# Altium PCB BMS.PcbDoc (part 1 of 3)
Units mm, origin at the board's own origin, x right, y up, seen from the top; angles counter-clockwise.
Board outline 90.28 x 95.99 mm, 8 copper layers (Top Layer (SIG), Layer 1 (GND, Layer 2 (SIG), Layer 3 (PWR), Layer 4 (PWR), Layer 5 (SIG), Layer 6 (GND), Bottom Layer (SIG)), stack 1.028 mm thick; 233 components, 137 nets, 697 pads, 625 vias.
Unrouted connection lines stored in the file: 2.
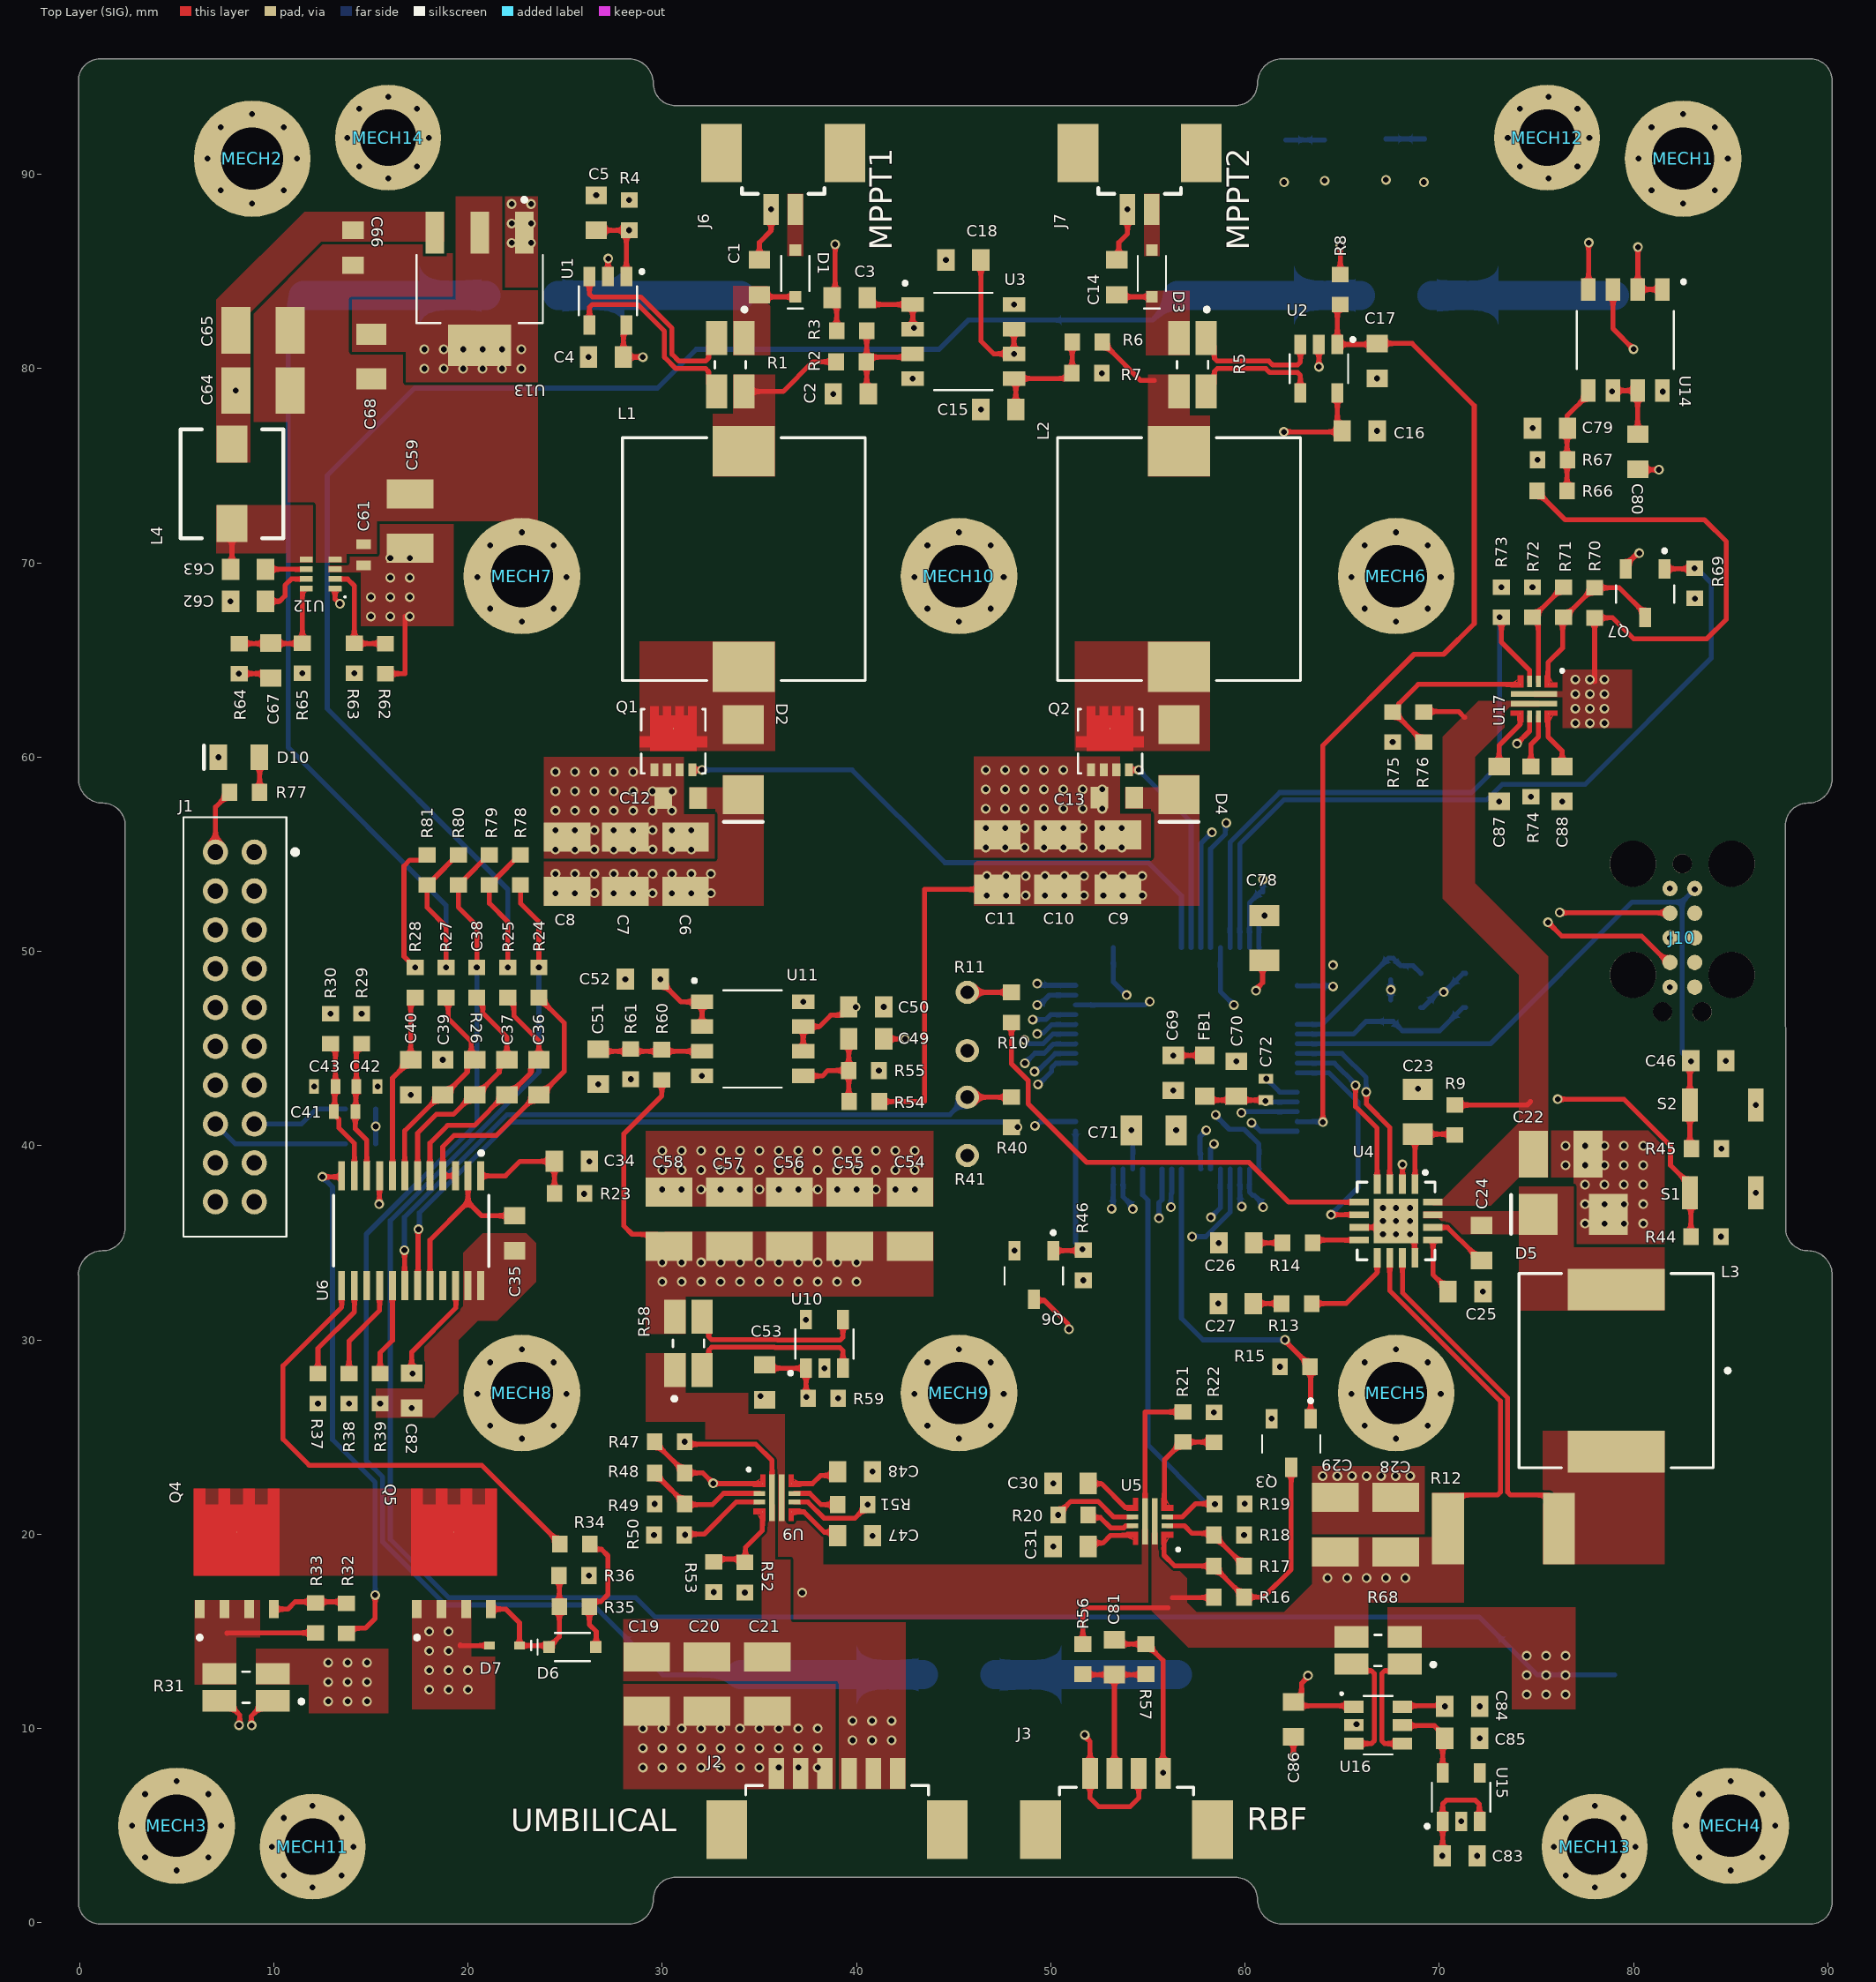
[diagram p0: Top Layer (SIG) view]
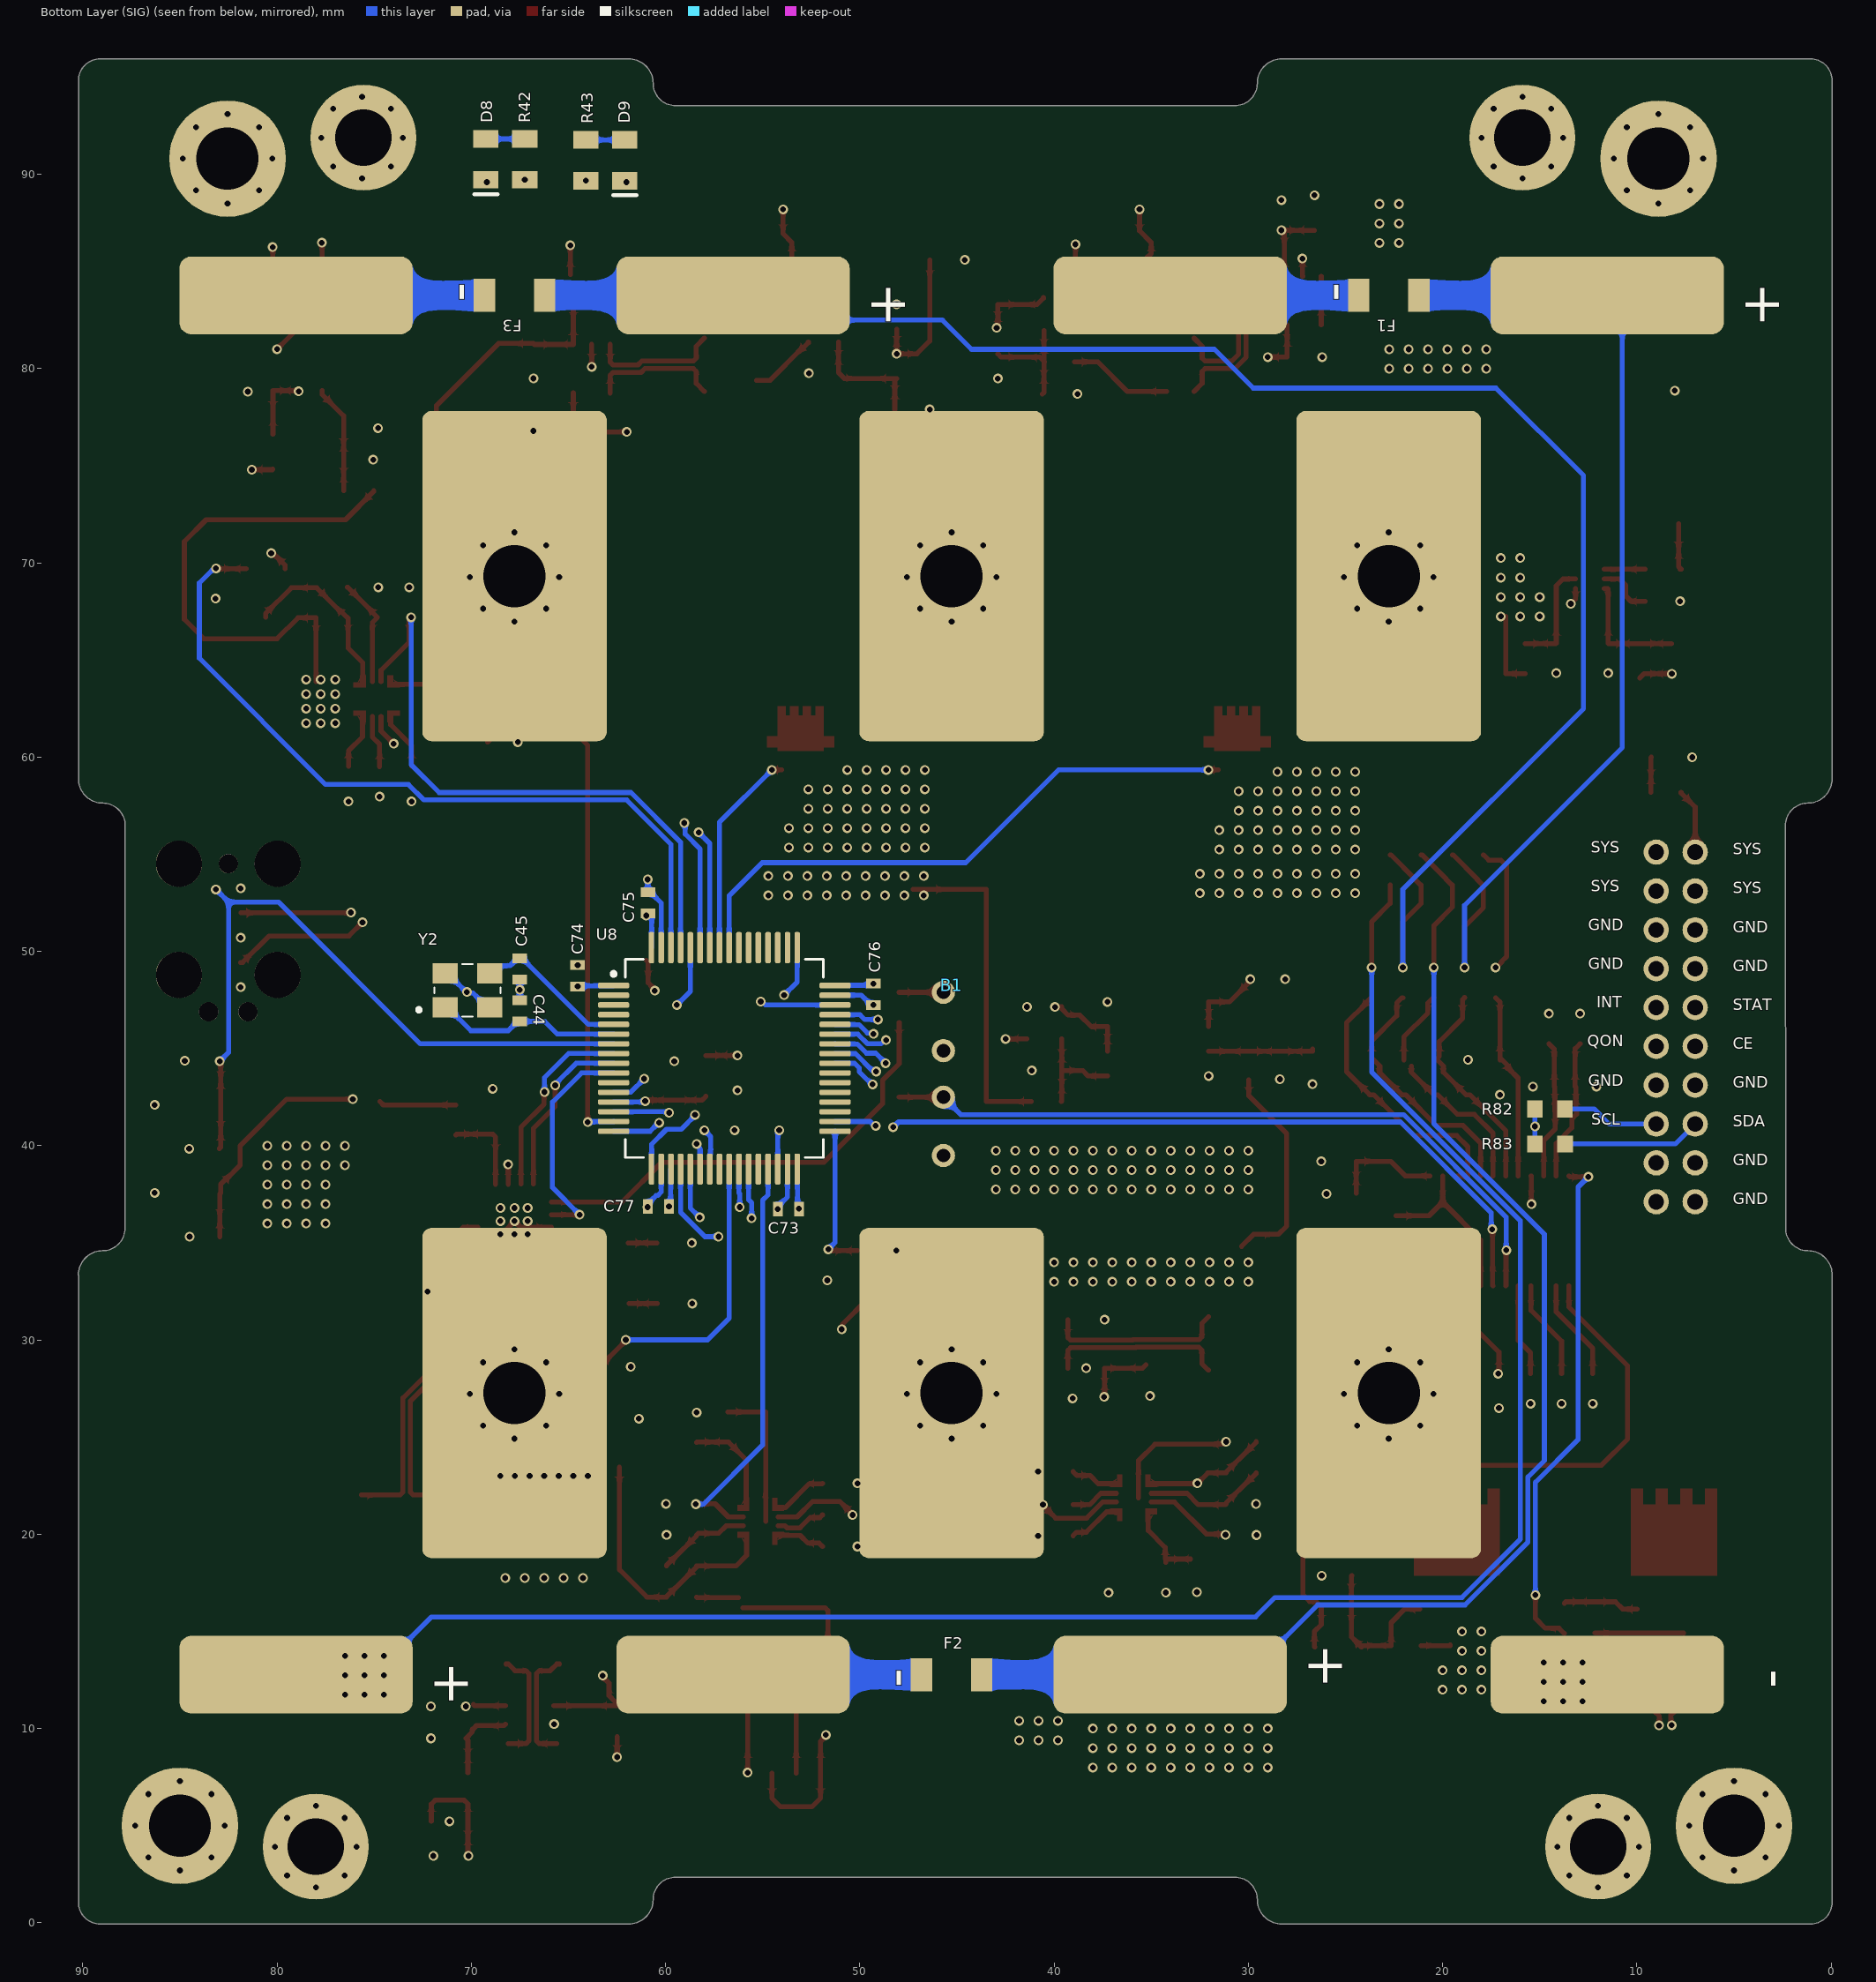
[diagram p1: Bottom Layer (SIG) view, seen from below]
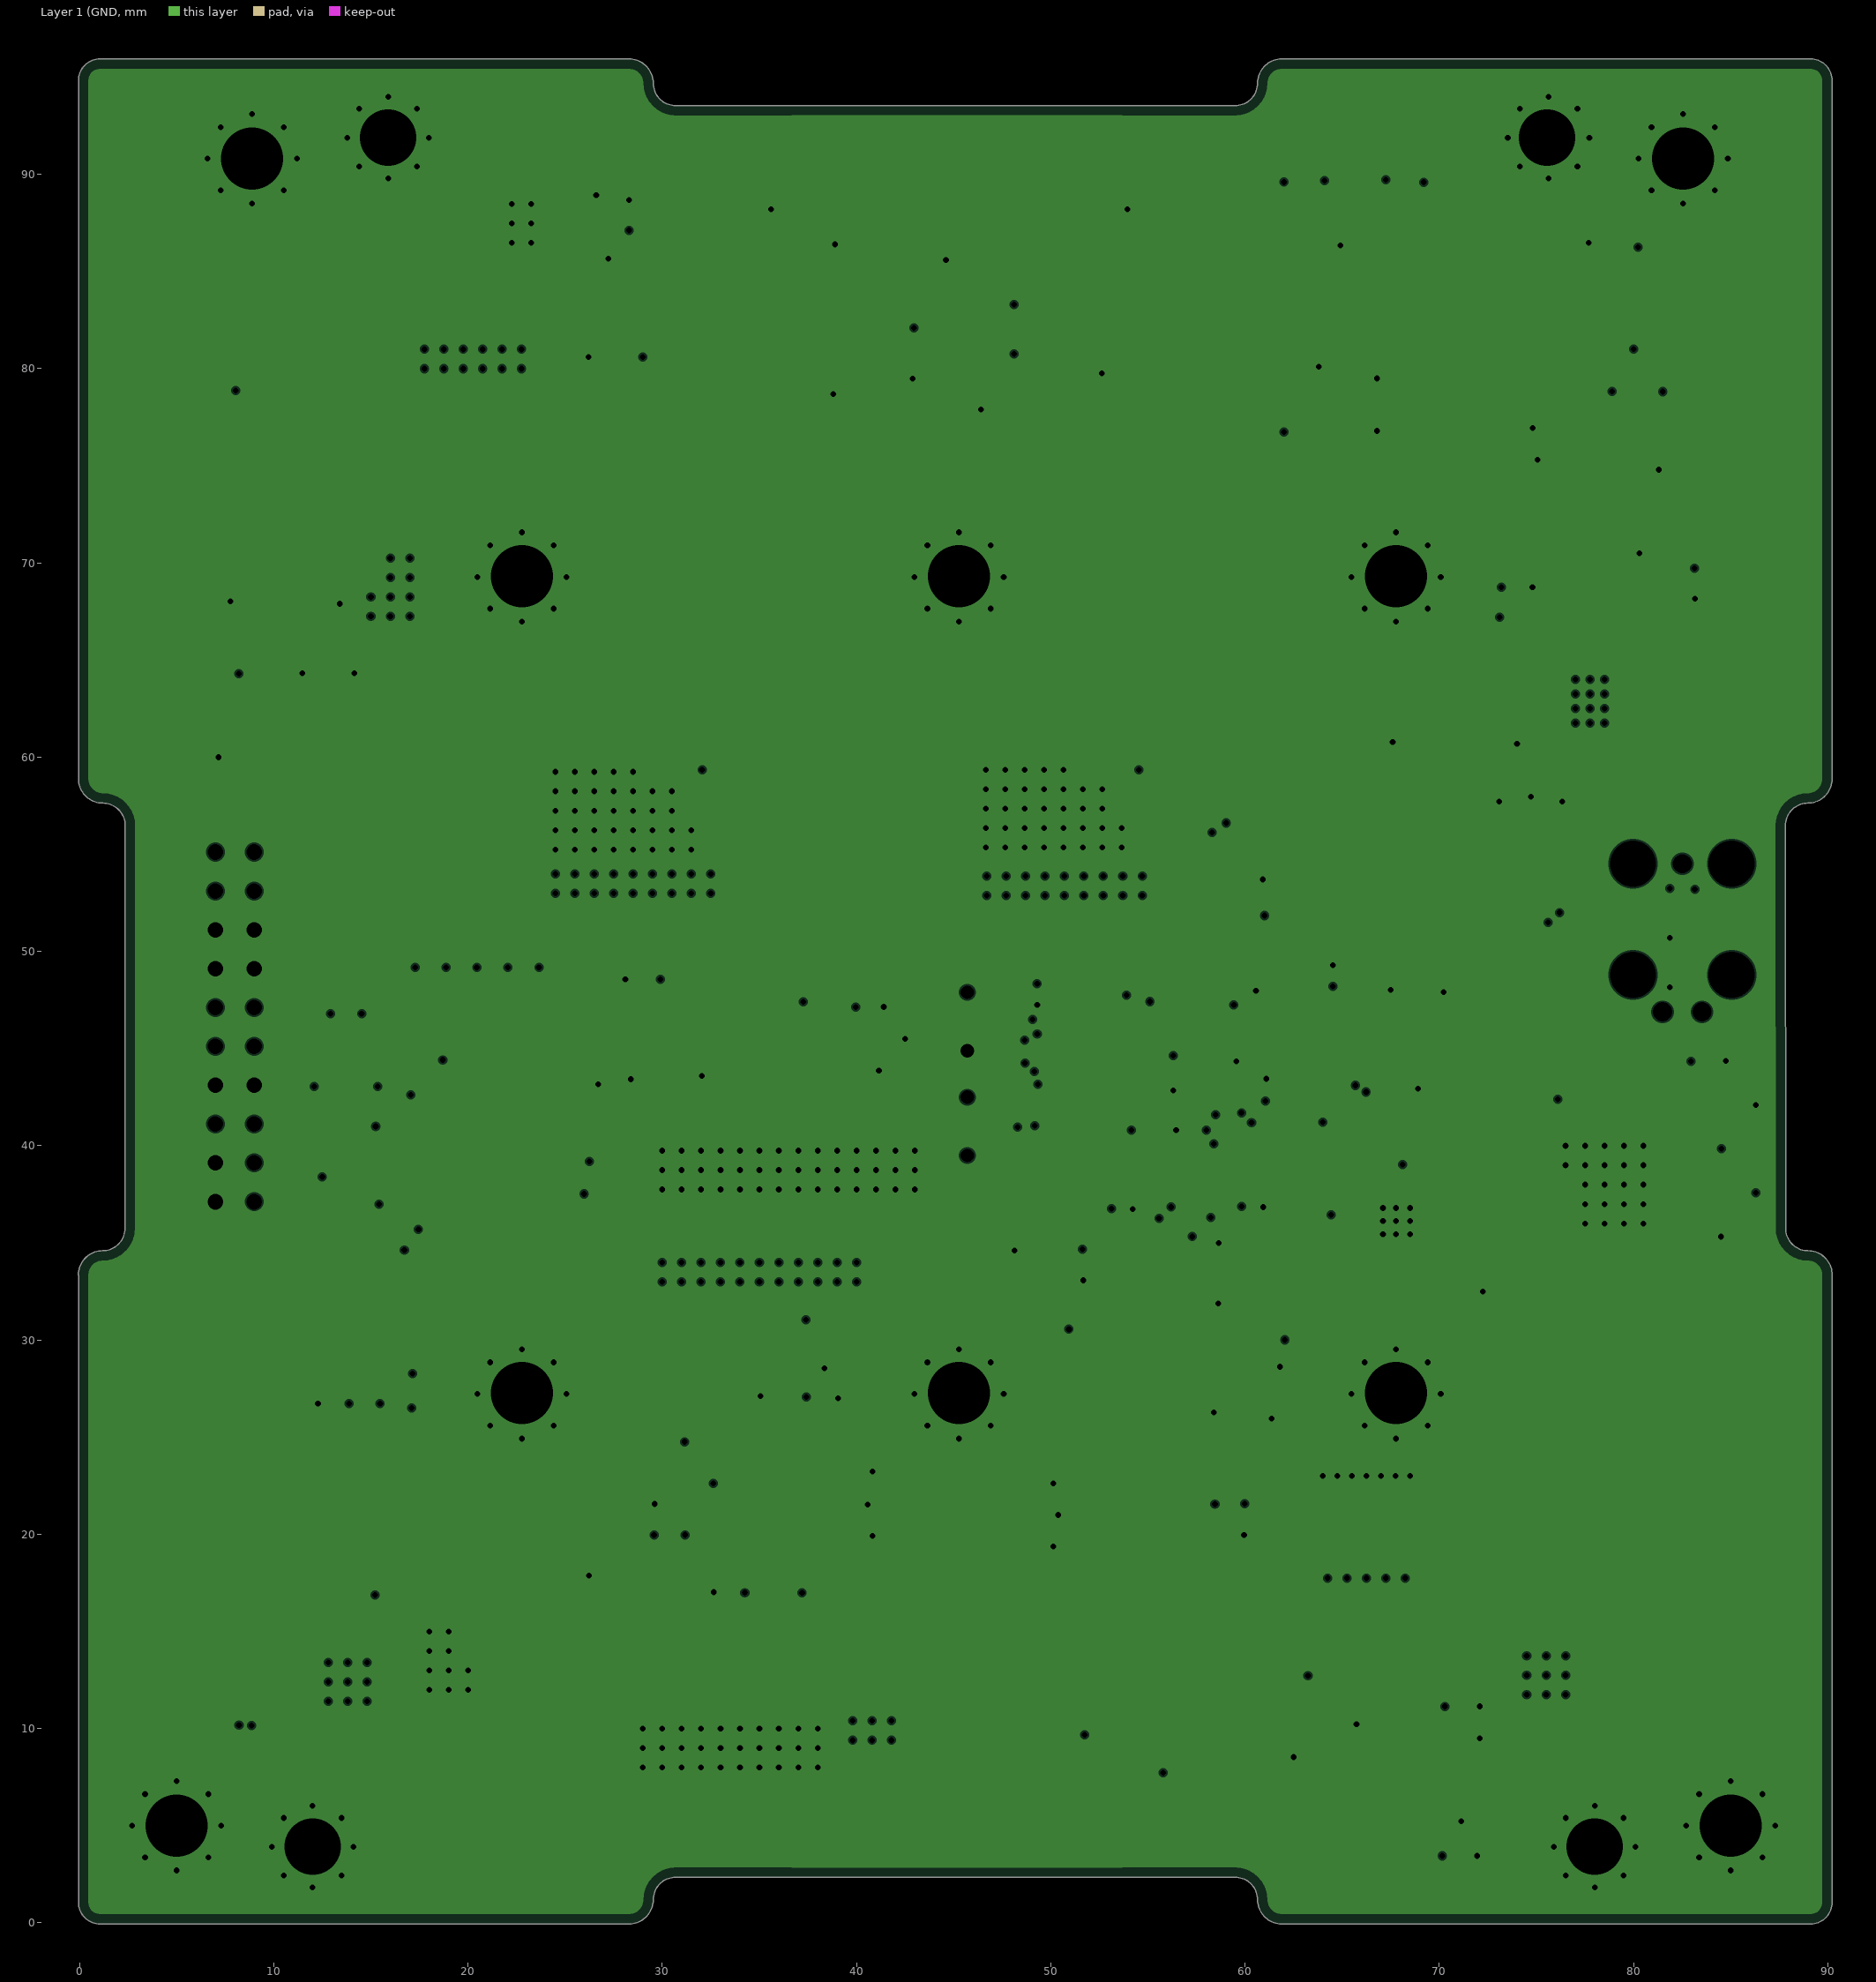
[diagram p2: Layer 1 (GND, clearances drawn from the general rule]
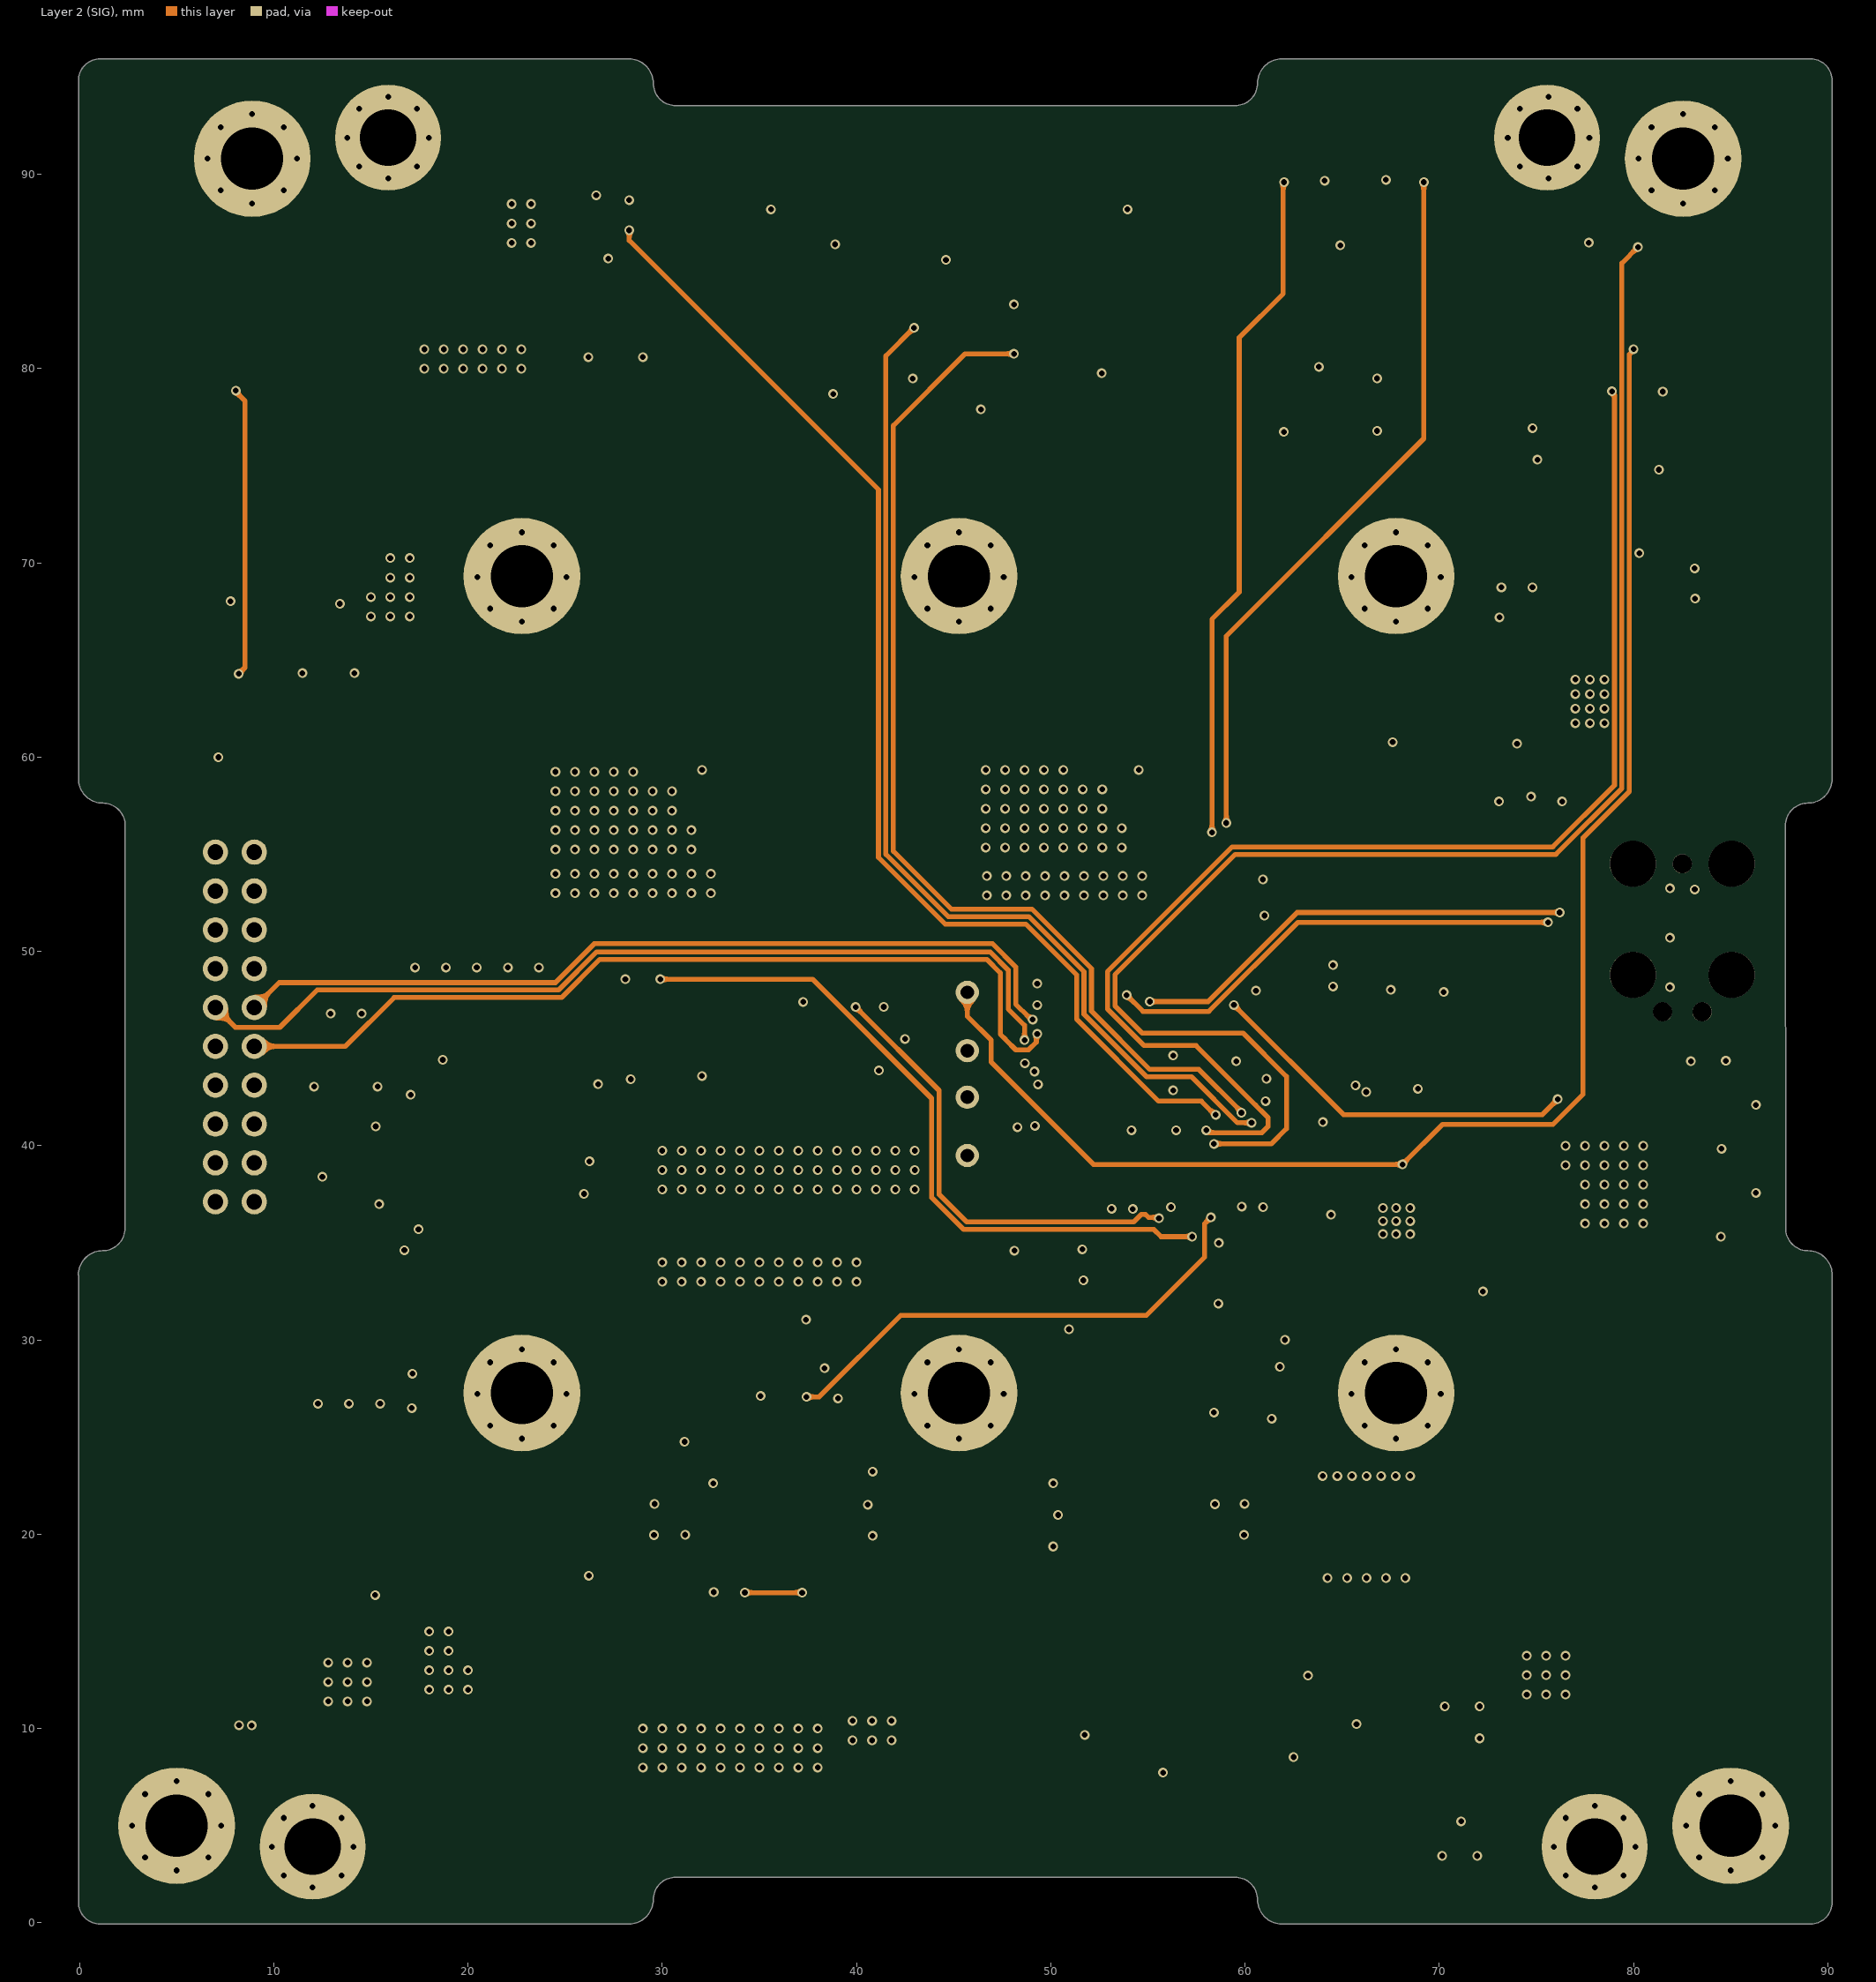
[diagram p3: Layer 2 (SIG)]